# Altium PCB Analog_Daughter_6U_MAX11331.PcbDoc (part 4 of 6)
Units mil, origin at the board's own origin, x right, y up, seen from the top; angles counter-clockwise.
Board outline 6811.02 x 3937.01 mil, 6 copper layers (Top Layer, GND, Signal 1, Signal 2, VCC, Bottom Layer), stack 32.112 mil thick; 520 components, 330 nets, 1678 pads, 526 vias.
Unrouted connection lines stored in the file: 277.
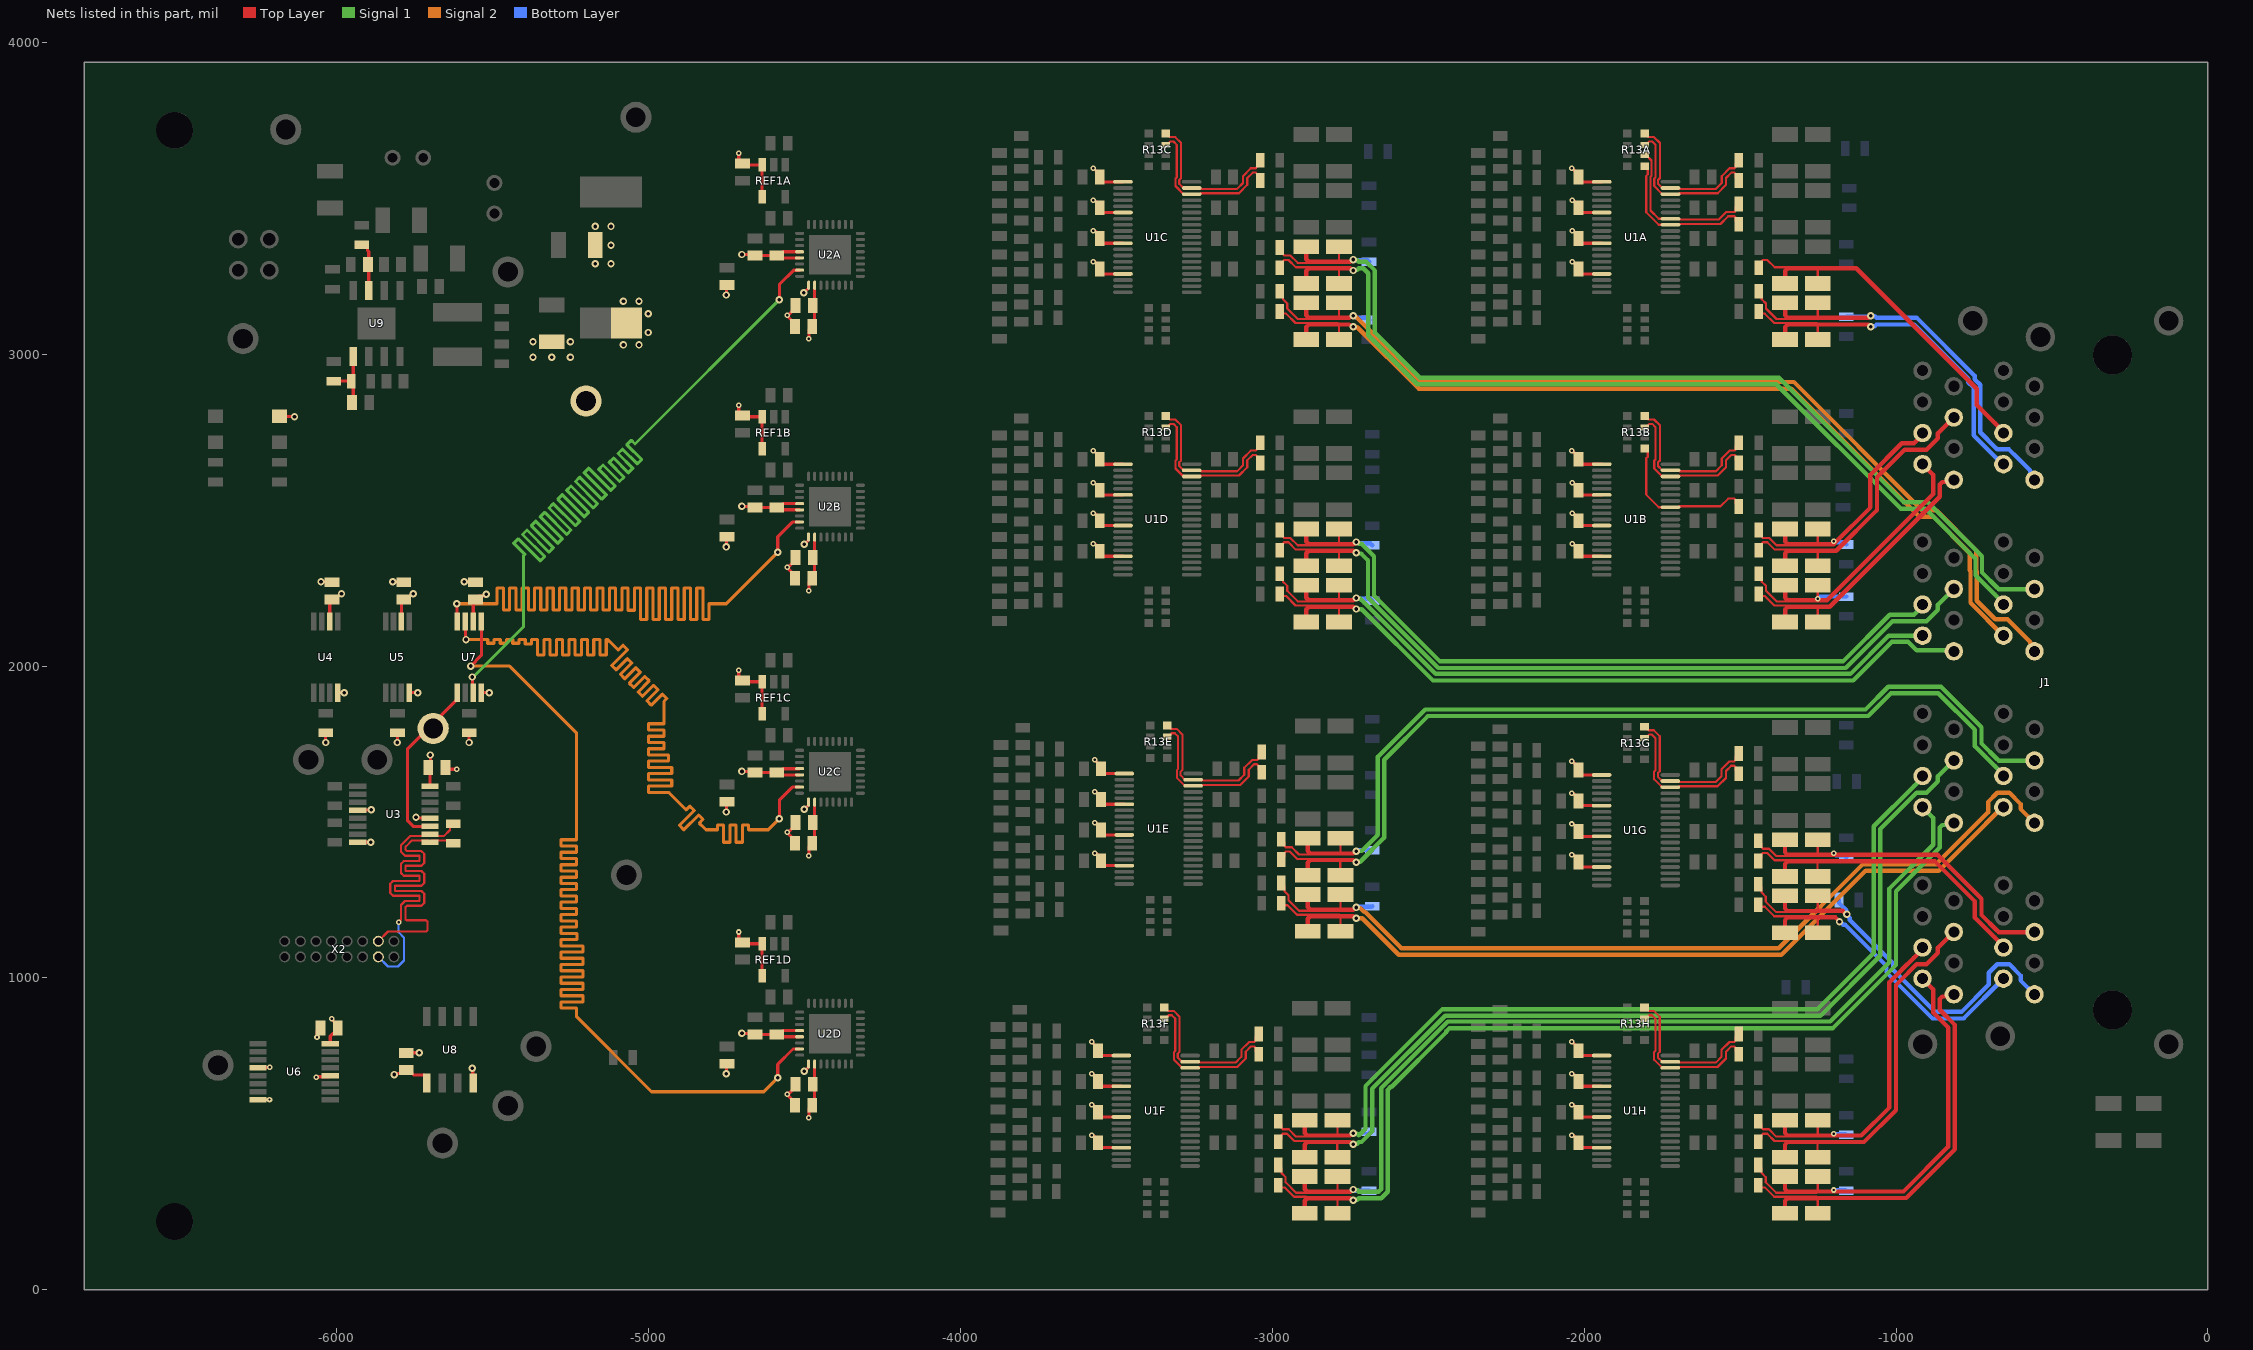
[diagram p8: the nets of this part, all layers, seen from the top]

## Via types
v1: diameter 17.72, hole 7.87, Top Layer to Bottom Layer, tented both sides, 279 vias
v2: diameter 23.62, hole 11.81, Top Layer to Bottom Layer, tented both sides, 205 vias
v3: diameter 27.56, hole 11.81, Top Layer to Bottom Layer, tented bottom, 32 vias
v4: diameter 19.68, hole 7.87, Top Layer to Bottom Layer, tented both sides, 6 vias
v5: diameter 51.18, hole 27.56, Top Layer to Bottom Layer, tented both sides, 4 vias

## Nets (pads, with @x,y where several pads share a name; then routed paths per layer and width w, separated by ;. In a path a pad name is that pad's centre, name@x,y a point inside that pad or via, vN(x,y) a via of type N, cw(c..) or ccw(c..) an arc to the next point about the centre after c; other vN are vias at no path point) (continued)
AIN3A_P: C8A.1 J1.D4 R9A.2 R10A.1 | length 1262.3
  Top Layer w7: R9A.2@-1440.95,3277.05 -1430.67,3287.33 -1430.67,3298.45 -1426.57,3302.55 -1412.95,3302.55 -1389.5,3279.1 -1347.75,3279.1 -1255.52,3279.1 -1252.02,3275.6 -1251.42,3275 -1251.42,3227.52 C8A.1@-1250.95,3227.05
  Top Layer w14: R10A.1@-1355.95,3227.05 -1355.95,3267.4 -1347.75,3275.6 -1252.02,3275.6 -1127.39,3275.6 -741.42,2889.63 -741.42,2837.34 -683.96,2779.87 -683.38,2779.87 -655.99,2752.49 J1.D4@-655.99,2747.4
AIN3B_N: C8B.2 J1.E5 R10B.2 R12B.2 R40B.1 | length 1000.8
  Top Layer w7: R12B.2@-1440.95,2436.54 -1430.67,2426.26 -1430.67,2415.14 -1426.57,2411.04 -1407.15,2411.04 -1383.71,2387.59 -1255.05,2387.59 -1251.55,2391.09 -1250.95,2391.69 C8B.2@-1250.95,2439.65
  Top Layer w14: R10B.2@-1355.95,2439.65 -1355.95,2399.29 -1347.75,2391.09 -1251.55,2391.09 -1200.33,2391.09 ; v1@-1195.71,2395.71 -1082.42,2509 -1082.42,2614 -981.49,2714.93 -942.38,2714.93 -914.99,2742.32 J1.E5@-914.99,2747.4
  Bottom Layer w14: v1(-1200,2400) -1198.99,2400 -1195.77,2396.78 -1166.78,2396.78 R40B.1@-1160,2390
AIN3B_P: C8B.1 J1.E4 R9B.2 R10B.1 | length 1098.6
  Top Layer w7: R9B.2@-1440.95,2371.54 -1430.67,2381.82 -1430.67,2392.93 -1426.57,2397.04 -1412.95,2397.04 -1389.5,2373.59 -1347.75,2373.59 -1255.52,2373.59 -1252.02,2370.09 -1251.42,2369.49 -1251.42,2322.01 C8B.1@-1250.95,2321.54
  Top Layer w14: R10B.1@-1355.95,2321.54 -1355.95,2361.89 -1347.75,2370.09 -1252.02,2370.09 -1191.63,2370.09 -1061.42,2500.3 -1061.42,2605.3 -972.8,2693.93 -902.66,2693.93 -865.98,2730.61 -865.98,2746.41 J1.E4@-814.99,2797.4
AIN3C_N: C8C.2 J1.C5 R10C.2 R12C.2 R40C.1 | length 3269.3
  Top Layer w7: R12C.2@-2976.38,3342.05 -2966.1,3331.77 -2966.1,3320.65 -2962,3316.55 -2942.58,3316.55 -2919.14,3293.1 -2790.48,3293.1 -2786.98,3296.6 -2786.38,3297.2 C8C.2@-2786.38,3345.16
  Top Layer w14: R10C.2@-2891.38,3345.16 -2891.38,3304.8 -2883.18,3296.6 -2792.48,3296.6 ; -2786.98,3296.6 -2750.92,3296.6
  Signal 1 w14: v2(-2741.25,3303.67) -2739.41,3301.83 -2728.15,3301.83 -2722.92,3296.6 -2699.74,3296.6 -2671.42,3268.29 -2671.42,3069.7 -2526.72,2925 -1375.42,2925 -976.42,2526 -898.09,2526 -724.49,2352.4 -724.49,2300.1 -675.26,2250.87 -674.68,2250.87 -670.68,2246.87 -556.52,2246.87 J1.C5@-555.99,2247.4
  Bottom Layer w14: v2(-2741.25,3303.67) -2739.41,3301.83 -2694.82,3301.83 R40C.1@-2690,3297.01
AIN3C_P: C8C.1 J1.C4 R9C.2 R10C.1 | length 3136
  Top Layer w7: R9C.2@-2976.38,3277.05 -2966.1,3287.33 -2966.1,3298.45 -2962,3302.55 -2948.38,3302.55 -2924.94,3279.1 -2883.18,3279.1 -2834.72,3279.1 -2790.96,3279.1 -2787.46,3275.6 -2786.86,3275 -2786.86,3227.52 C8C.1@-2786.38,3227.05
  Top Layer w14: R10C.1@-2891.38,3227.05 -2891.38,3267.4 -2883.18,3275.6 -2835.32,3275.6 -2834.72,3275 -2786.86,3275 ; -2787.46,3275.6 -2750.92,3275.6
  Signal 1 w14: v2(-2741.25,3268.53) -2739.41,3270.37 -2728.15,3270.37 -2722.92,3275.6 -2708.44,3275.6 -2692.42,3259.59 -2692.42,3061 -2535.42,2904 -1384.12,2904 -985.12,2505 -906.79,2505 -745.49,2343.7 -745.49,2291.4 -683.96,2229.87 -683.38,2229.87 -655.99,2202.49 J1.C4@-655.99,2197.4
AIN3D_N: C8D.2 J1.F5 R10D.2 R12D.2 R40D.1 | length 2656.3
  Top Layer w7: R12D.2@-2976.38,2436.54 -2966.1,2426.26 -2966.1,2415.14 -2962,2411.04 -2942.58,2411.04 -2919.14,2387.59 -2790.48,2387.59 -2786.98,2391.09 -2786.38,2391.69 C8D.2@-2786.38,2439.65
  Top Layer w14: R10D.2@-2891.38,2439.65 -2891.38,2399.29 -2883.18,2391.09 -2786.98,2391.09 -2740.92,2391.09 -2733.85,2398.16 v2(-2731.25,2398.16)
  Signal 1 w14: v2(-2731.25,2398.16) -2728.64,2398.16 -2722.31,2391.83 -2713.69,2391.83 -2674.42,2352.57 -2674.42,2226.74 -2462.68,2015 -1170.16,2015 -1020.23,2164.93 -942.38,2164.93 -914.99,2192.32 J1.F5@-914.99,2197.4
  Bottom Layer w14: v2(-2731.25,2398.16) -2728.64,2398.16 -2724.27,2393.79 -2686.78,2393.79 R40D.1@-2680,2387.01
AIN3D_P: C8D.1 J1.F4 R9D.2 R10D.1 | length 2726.6
  Top Layer w7: R9D.2@-2976.38,2371.54 -2966.1,2381.82 -2966.1,2392.93 -2962,2397.04 -2948.38,2397.04 -2924.94,2373.59 -2790.96,2373.59 -2787.46,2370.09 -2786.86,2369.49 -2786.86,2322.01 C8D.1@-2786.38,2321.54
  Top Layer w14: R10D.1@-2891.38,2321.54 -2891.38,2361.89 -2883.18,2370.09 -2787.46,2370.09 -2740.92,2370.09 -2733.85,2363.02 v2(-2731.25,2363.02)
  Signal 1 w14: v2(-2731.25,2363.02) -2729.41,2361.18 -2715.74,2361.18 -2693.42,2338.86 -2693.42,2218.87 -2468.55,1994 -1161.46,1994 -1011.53,2143.93 -902.66,2143.93 -865.98,2180.61 -865.98,2196.41 J1.F4@-814.99,2247.4
AIN3E_N: C8E.2 J1.B5 R10E.2 R12E.2 R40E.1 | length 3178.5
  Top Layer w7: R12E.2@-2971.95,1444.47 -2961.67,1434.19 -2961.67,1423.07 -2957.57,1418.97 -2938.15,1418.97 -2914.71,1395.52 -2786.05,1395.52 -2782.55,1399.02 -2781.95,1399.62 C8E.2@-2781.95,1447.58
  Top Layer w14: R10E.2@-2886.95,1447.58 -2886.95,1407.22 -2878.75,1399.02 -2782.55,1399.02 -2740.92,1399.02
  Signal 1 w14: v2(-2731.25,1406.09) -2730.16,1407.19 -2713.94,1407.19 -2662.42,1458.7 -2662.42,1708.7 -2510.27,1860.85 -1098.14,1860.85 -1025.06,1933.93 -856.02,1933.93 -726.26,1804.17 -726.26,1751.88 -675.26,1700.87 -674.68,1700.87 -670.68,1696.87 -556.52,1696.87 J1.B5@-555.99,1697.4
  Bottom Layer w14: v2(-2731.25,1406.09) -2728.64,1406.09 -2724.74,1410 R40E.1@-2680,1410
AIN3E_P: C8E.1 J1.B4 R9E.2 R10E.1 | length 3045.7
  Top Layer w7: R9E.2@-2971.95,1379.47 -2961.67,1389.75 -2961.67,1400.87 -2957.57,1404.97 -2943.95,1404.97 -2920.51,1381.52 -2786.53,1381.52 -2783.03,1378.02 -2782.43,1377.42 -2782.43,1329.94 C8E.1@-2781.95,1329.47
  Top Layer w14: R10E.1@-2886.95,1329.47 -2886.95,1369.82 -2878.75,1378.02 -2783.03,1378.02 -2740.92,1378.02
  Signal 1 w14: v2(-2731.25,1370.95) -2729.41,1372.79 -2718.63,1372.79 -2641.42,1450 -2641.42,1700 -2501.57,1839.85 -1089.44,1839.85 -1016.36,1912.93 -864.72,1912.93 -747.26,1795.48 -747.26,1743.18 -683.96,1679.87 -683.38,1679.87 -655.99,1652.49 J1.B4@-655.99,1647.4
AIN3F_N: C8F.2 J1.G5 R10F.2 R12F.2 R40F.1 | length 3040.5
  Top Layer w7: R12F.2@-2981.42,540 -2971.14,529.72 -2971.14,518.6 -2967.04,514.5 -2947.62,514.5 -2924.18,491.05 -2891.72,491.05 -2888.22,494.55 ; -2795.52,491.05 -2792.02,494.55 -2791.42,495.16 C8F.2@-2791.42,543.11
  Top Layer w14: R10F.2@-2896.42,543.11 -2896.42,502.76 -2888.22,494.55 -2797.52,494.55 ; -2792.02,494.55 -2750.92,494.55
  Signal 1 w14: v2(-2741.25,501.63) -2739.41,499.79 -2728.15,499.79 -2722.92,494.55 -2701.42,516.05 -2701.42,653.13 -2454.55,900 -1251.42,900 -1071.42,1080 -1071.42,1486.47 -942.96,1614.93 -942.38,1614.93 -914.99,1642.32 J1.G5@-914.99,1647.4
  Bottom Layer w7: v2(-2741.25,501.63) -2695.38,501.63 R40F.1@-2690,507.01
AIN3F_P: C8F.1 J1.G4 R9F.2 R10F.1 | length 3123.5
  Top Layer w7: R9F.2@-2981.42,475 -2971.14,485.28 -2971.14,496.4 -2967.04,500.5 -2953.42,500.5 -2929.98,477.05 -2891.72,477.05 -2888.22,473.55 ; -2792.5,473.55 -2791.9,472.95 -2791.9,425.47 C8F.1@-2791.42,425
  Top Layer w14: R10F.1@-2896.42,425 -2896.42,465.35 -2888.22,473.55 -2792.5,473.55 -2750.92,473.55
  Signal 1 w14: v2(-2741.25,466.48) -2739.41,468.32 -2728.15,468.32 -2722.92,473.55 -2714.22,473.55 -2680.42,507.35 -2680.42,644.43 -2445.85,879 -1242.72,879 -1050.42,1071.3 -1050.42,1477.77 -934.26,1593.93 -902.66,1593.93 -865.98,1630.61 -865.98,1646.41 J1.G4@-814.99,1697.4
AIN3G_N: C8G.2 J1.A5 R10G.2 R12G.2 R40G.1 | length 1289.5
  Top Layer w7: R12G.2@-1441.42,1440 -1431.14,1429.72 -1431.14,1418.6 -1427.04,1414.5 -1407.62,1414.5 -1384.18,1391.05 -1255.52,1391.05 -1252.02,1394.55 -1251.42,1395.16 C8G.2@-1251.42,1443.11
  Top Layer w14: R10G.2@-1356.42,1443.11 -1356.42,1402.76 -1348.22,1394.55 -1252.02,1394.55 -866.65,1394.55 -726.26,1254.17 -726.26,1201.88 -675.26,1150.87 -674.68,1150.87 -670.68,1146.87 -556.52,1146.87 J1.A5@-555.99,1147.4
  Bottom Layer w14: v1(-1200,1400) -1198.99,1400 -1192.78,1393.79 -1166.78,1393.79 R40G.1@-1160,1387.01
AIN3G_P: C8G.1 J1.A4 R9G.2 R10G.1 | length 1158.3
  Top Layer w7: R9G.2@-1441.42,1375 -1431.14,1385.28 -1431.14,1396.4 -1427.04,1400.5 -1413.42,1400.5 -1389.98,1377.05 -1256,1377.05 -1252.5,1373.55 -1251.9,1372.95 -1251.9,1325.47 C8G.1@-1251.42,1325
  Top Layer w14: R10G.1@-1356.42,1325 -1356.42,1365.35 -1348.22,1373.55 -1252.5,1373.55 -875.34,1373.55 -747.26,1245.48 -747.26,1193.18 -683.96,1129.87 -683.38,1129.87 -655.99,1102.49 J1.A4@-655.99,1097.4
AIN3H_N: C8H.2 J1.H5 R10H.2 R12H.2 R40H.1 | length 1281
  Top Layer w7: R12H.2@-1441.42,540 -1431.14,529.72 -1431.14,518.6 -1427.04,514.5 -1407.62,514.5 -1384.18,491.05 -1255.52,491.05 -1252.02,494.55 -1251.42,495.16 C8H.2@-1251.42,543.11
  Top Layer w14: R10H.2@-1356.42,543.11 -1356.42,502.76 -1348.22,494.55 -1252.02,494.55 -1111.42,494.55 -1021.42,584.55 -1021.42,985.92 -981.97,1025.37 -981.97,1025.92 -942.96,1064.93 -942.38,1064.93 -914.99,1092.32 J1.H5@-914.99,1097.4
  Bottom Layer w14: v1(-1200,500) -1199.29,499.29 -1162.28,499.29 R40H.1@-1160,497.01
AIN3H_P: C8H.1 J1.H4 R9H.2 R10H.1 | length 1375.2
  Top Layer w7: R9H.2@-1441.42,475 -1431.14,485.28 -1431.14,496.4 -1427.04,500.5 -1413.42,500.5 -1389.98,477.05 -1256,477.05 -1252.5,473.55 -1251.9,472.95 -1251.9,425.47 C8H.1@-1251.42,425
  Top Layer w14: R10H.1@-1356.42,425 -1356.42,465.35 -1348.22,473.55 -1252.5,473.55 -1102.72,473.55 -1000.42,575.86 -1000.42,977.22 -961.52,1016.13 -961.52,1016.67 -934.26,1043.93 -902.66,1043.93 -865.98,1080.61 -865.98,1096.41 J1.H4@-814.99,1147.4
AIN4A_N: C4A.2 J1.D1 R5A.2 R7A.2 R39A.1 | length 1545.5
  Top Layer w7: R7A.2@-1440.95,3202.05 -1430.67,3191.77 -1430.67,3176.19 -1417.31,3162.83 -1417.31,3146.7 -1383.71,3113.1 -1255.05,3113.1 -1251.55,3116.6 -1250.95,3117.2 C4A.2@-1250.95,3165.16
  Top Layer w14: R5A.2@-1355.95,3165.16 -1355.95,3124.8 -1347.75,3116.6 -1251.55,3116.6 -1087.73,3116.6 -1081.42,3122.91 -1081.42,3123.5 v2(-1081.25,3123.67)
  Bottom Layer w14: R39A.1@-1160,3120 -1087.52,3120 -1083.85,3123.67 v2(-1081.25,3123.67) -1079.41,3121.83 -1068.15,3121.83 -1062.92,3116.6 -933.33,3116.6 -747.46,2930.74 -747.46,2919.33 -730.42,2902.29 -730.42,2750 -679.3,2698.87 -675.42,2695 -637.79,2695 -609.23,2666.44 -569.82,2627.03 -569.82,2623.42 -555.99,2609.59 J1.D1@-555.99,2597.4
AIN4A_P: C4A.1 J1.D2 R4A.2 R5A.1 | length 1288.1
  Top Layer w7: R4A.2@-1440.95,3137.05 -1434.27,3130.37 -1420.77,3130.37 -1390.4,3100 -1255.05,3100 -1250.95,3095.9 -1250.95,3095.6 C4A.1@-1250.95,3047.05
  Top Layer w14: R5A.1@-1355.95,3047.05 -1355.95,3087.4 -1347.75,3095.6 -1250.95,3095.6 -1087.73,3095.6 -1081.25,3089.12 v2(-1081.25,3088.53)
  Bottom Layer w14: v2(-1081.25,3088.53) -1079.41,3090.37 -1068.15,3090.37 -1062.92,3095.6 -942.03,3095.6 -768.46,2922.04 -768.46,2910.64 -751.42,2893.6 -751.42,2740 -658.82,2647.4 J1.D2@-655.99,2647.4
AIN4B_N: C4B.2 J1.E7 R5B.2 R7B.2 R39B.1 | length 1148.2
  Top Layer w7: R7B.2@-1440.95,2296.54 -1430.67,2286.26 -1430.67,2270.68 -1417.31,2257.31 -1417.31,2241.19 -1383.71,2207.59 -1255.05,2207.59 ; v1@-1250.95,2216.55 C4B.2@-1250.95,2259.65
  Top Layer w14: R5B.2@-1355.95,2259.65 -1355.95,2219.29 -1347.75,2211.09 v1@-1251.55,2211.09 ; v1@-1251.44,2211.09 -1221.42,2211.09 -880.79,2551.73 -880.79,2613.2 J1.E7@-914.99,2647.4
  Bottom Layer w14: v1(-1251.44,2216.55) -1250.43,2216.55 -1243.99,2222.99 R39B.1@-1160,2222.99
AIN4B_P: C4B.1 J1.E8 R4B.2 R5B.1 | length 1032.4
  Top Layer w7: R4B.2@-1440.95,2231.54 -1434.27,2224.86 -1420.77,2224.86 -1390.4,2194.49 -1255.05,2194.49 -1250.95,2190.39 -1250.95,2190.09 C4B.1@-1250.95,2141.54
  Top Layer w14: R5B.1@-1355.95,2141.54 -1355.95,2181.89 -1347.75,2190.09 -1250.95,2190.09 -1212.72,2190.09 -859.79,2543.03 -859.79,2582.34 -851.59,2590.54 -821.85,2590.54 J1.E8@-814.99,2597.4
AIN4C_N: C4C.2 J1.C1 R5C.2 R7C.2 R39C.1 | length 3246.3
  Top Layer w7: R7C.2@-2976.38,3202.05 -2966.1,3191.77 -2966.1,3176.19 -2952.74,3162.83 -2952.74,3146.7 -2919.14,3113.1 -2790.48,3113.1 -2786.98,3116.6 ; -2786.38,3117.2 C4C.2@-2786.38,3165.16
  Top Layer w14: R5C.2@-2891.38,3165.16 -2891.38,3124.8 -2883.18,3116.6 -2791.59,3116.6 ; -2786.98,3116.6 -2754.26,3116.6
  Signal 2 w14: -2728.77,3117.34 -2522.42,2911 -1327.72,2911 -916.5,2499.77 -871.5,2499.77 -742.42,2370.7 -742.42,2305 -741.42,2304 -741.42,2209.7 -681.72,2150 -642.79,2150 -569.82,2077.03 -569.82,2073.42 -555.99,2059.59 J1.C1@-555.99,2047.4
  Bottom Layer w14: v2(-2741.25,3123.67) -2738.64,3123.67 -2731.75,3116.78 -2696.78,3116.78 R39C.1@-2690,3110
AIN4C_P: C4C.1 J1.C2 R4C.2 R5C.1 | length 3018.5
  Top Layer w7: R4C.2@-2976.38,3137.05 -2969.71,3130.37 -2956.21,3130.37 -2925.84,3100 -2790.48,3100 -2786.38,3095.9 -2786.38,3095.6 C4C.1@-2786.38,3047.05
  Top Layer w14: R5C.1@-2891.38,3047.05 -2891.38,3087.4 -2883.18,3095.6 -2792.48,3095.6 ; -2786.38,3095.6 -2754.26,3095.6
  Signal 2 w14: v2(-2741.25,3088.53) -2739.41,3086.69 -2727.81,3086.69 -2531.12,2890 -1336.42,2890 -925.2,2478.77 -880.2,2478.77 -763.42,2362 -763.42,2307 -761.42,2305 -761.42,2202.83 J1.C2@-655.99,2097.4
AIN4D_N: C4D.2 J1.F7 R5D.2 R7D.2 R39D.1 | length 2524.2
  Top Layer w7: R7D.2@-2976.38,2296.54 -2966.1,2286.26 -2966.1,2270.68 -2952.74,2257.31 -2952.74,2241.19 -2919.14,2207.59 -2790.48,2207.59 -2786.98,2211.09 -2786.38,2211.69 C4D.2@-2786.38,2259.65
  Top Layer w14: R5D.2@-2891.38,2259.65 -2891.38,2219.29 -2883.18,2211.09 -2786.98,2211.09 -2740.92,2211.09 -2733.85,2218.16 v2(-2731.25,2218.16)
  Signal 1 w14: v2(-2731.25,2218.16) -2729.41,2216.32 -2718.15,2216.32 -2705.2,2203.37 -2704.79,2203.37 -2476.42,1975 -1146.42,1975 -1024.02,2097.4 J1.F7@-914.99,2097.4
  Bottom Layer w14: v2(-2731.25,2218.16) -2729.41,2216.32 -2686.32,2216.32 R39D.1@-2680,2210
AIN4D_P: C4D.1 J1.F8 R4D.2 R5D.1 | length 2538.2
  Top Layer w7: R4D.2@-2976.38,2231.54 -2969.71,2224.86 -2956.21,2224.86 -2925.84,2194.49 -2790.48,2194.49 -2786.38,2190.39 -2786.38,2190.09 C4D.1@-2786.38,2141.54
  Top Layer w14: R5D.1@-2891.38,2141.54 -2891.38,2181.89 -2883.18,2190.09 -2786.38,2190.09 -2740.92,2190.09 -2733.85,2183.02 v2(-2731.25,2183.02)
  Signal 1 w14: v2(-2731.25,2183.02) -2730.6,2182.37 -2713.49,2182.37 -2485.12,1954 -1137.72,1954 -1013.32,2078.4 -961.79,2078.4 -934.26,2050.87 -818.46,2050.87 J1.F8@-814.99,2047.4
AIN4E_N: C4E.2 J1.B1 R5E.2 R7E.2 R39E.1 | length 3042.5
  Top Layer w7: R7E.2@-2971.95,1304.47 -2961.67,1294.19 -2961.67,1278.61 -2948.31,1265.25 -2948.31,1249.13 -2914.71,1215.52 -2786.05,1215.52 -2782.55,1219.02 -2781.95,1219.62 C4E.2@-2781.95,1267.58
  Top Layer w14: R5E.2@-2886.95,1267.58 -2886.95,1227.22 -2878.75,1219.02 -2782.55,1219.02 -2740.92,1219.02
  Signal 2 w14: v2(-2731.25,1226.09) -2729.41,1224.25 -2718.15,1224.25 -2706.08,1212.19 -2703.61,1212.19 -2586.42,1095 -1376.42,1095 -1106.49,1364.93 -871.34,1364.93 -781.42,1454.85 -704.88,1531.39 -704.88,1564.31 -675.26,1593.93 -636.72,1593.93 -600.66,1557.88 -600.66,1542.08 J1.B1@-555.99,1497.4
  Bottom Layer w14: v2(-2731.25,1226.09) -2729.41,1227.94 -2682.06,1227.94 R39E.1@-2680,1230
AIN4E_P: C4E.1 J1.B2 R4E.2 R5E.1 | length 2765.8
  Top Layer w7: R4E.2@-2971.95,1239.47 -2965.28,1232.79 -2951.78,1232.79 -2921.41,1202.42 -2786.05,1202.42 -2781.95,1198.32 -2781.95,1198.02 C4E.1@-2781.95,1149.47
  Top Layer w14: R5E.1@-2886.95,1149.47 -2886.95,1189.82 -2878.75,1198.02 -2782.25,1198.02 -2781.95,1198.32 ; -2781.95,1198.02 -2740.92,1198.02
  Signal 2 w14: v2(-2731.25,1190.95) -2731.01,1191.19 -2712.31,1191.19 -2595.12,1074 -1367.72,1074 -1097.8,1343.93 -862.64,1343.93 -766.57,1440 -659.17,1547.4 J1.B2@-655.99,1547.4
AIN4F_N: C4F.2 J1.G7 R5F.2 R7F.2 R39F.1 | length 3228.2
  Top Layer w7: R7F.2@-2981.42,400 -2971.14,389.72 -2971.14,374.14 -2957.78,360.78 -2957.78,344.66 -2924.18,311.05 -2891.72,311.05 -2888.22,314.55 ; -2792.02,314.55 -2791.42,315.16 C4F.2@-2791.42,363.11
  Top Layer w14: R5F.2@-2896.42,363.11 -2896.42,322.76 -2888.22,314.55 -2792.02,314.55 -2750.92,314.55
  Signal 1 w14: v2(-2741.25,321.63) -2739.41,319.79 -2728.15,319.79 -2722.92,314.55 -2659.62,314.55 -2651.42,322.76 -2651.42,646.56 -2437.98,860 -1211.42,860 -1021.42,1050 -1021.42,1286.47 -880.79,1427.1 -880.79,1513.2 J1.G7@-914.99,1547.4
  Bottom Layer w14: v2(-2741.25,321.63) -2738.64,321.63 -2734.03,317.01 R39F.1@-2690,317.01
AIN4F_P: C4F.1 J1.G8 R4F.2 R5F.1 | length 3145
  Top Layer w7: R4F.2@-2981.42,335 -2974.75,328.32 -2961.24,328.32 -2930.87,297.95 -2892.62,297.95 -2888.22,293.55 ; C4F.1@-2791.42,245 -2791.42,293.55
  Top Layer w14: R5F.1@-2896.42,245 -2896.42,285.35 -2888.22,293.55 -2791.42,293.55 -2750.92,293.55
  Signal 1 w14: v2(-2741.25,286.48) -2739.41,288.32 -2728.15,288.32 -2722.92,293.55 -2650.93,293.55 -2630.42,314.06 -2630.42,640.69 -2620.45,650.66 -2617.62,650.66 -2442.09,826.2 -2442.09,829.03 -2432.11,839 -1202.72,839 -1000.42,1041.3 -1000.42,1277.77 -859.79,1418.4 -859.79,1482.34 -851.59,1490.54 -821.85,1490.54 J1.G8@-814.99,1497.4
AIN4G_N: C4G.2 J1.A1 R5G.2 R7G.2 R39G.1 | length 1478.7
  Top Layer w7: R7G.2@-1441.42,1300 -1431.14,1289.72 -1431.14,1274.14 -1417.78,1260.78 -1417.78,1244.66 -1384.18,1211.05 -1255.52,1211.05 -1251.57,1215 -1251.42,1215.16 C4G.2@-1251.42,1263.11
  Top Layer w14: R5G.2@-1356.42,1263.11 -1356.42,1222.76 -1348.22,1214.55 -1256.63,1214.55 -1255.52,1213.45 ; -1251.57,1215 -1171.48,1215 -1160.25,1203.77 v2(-1157.65,1203.77)
  Bottom Layer w14: R39G.1@-1182.99,1250 -1182.99,1240.16 -1159.49,1216.66 -1159.49,1205.62 v2(-1157.65,1203.77) -1157.65,1201.17 -1148.61,1192.13 -1148.61,1185.81 -1009.7,1046.9 -1009.7,1026.31 -874.39,891 -790.42,891 -702.52,978.91 -702.52,1016.67 -675.26,1043.93 -636.72,1043.93 -600.66,1007.88 -600.66,992.08 J1.A1@-555.99,947.4
AIN4G_P: C4G.1 J1.A2 R4G.2 R5G.1 | length 1199.9
  Top Layer w7: R4G.2@-1441.42,1235 -1434.75,1228.32 -1421.24,1228.32 -1390.87,1197.95 -1255.52,1197.95 -1251.57,1194 -1251.42,1193.85 -1251.42,1193.55 C4G.1@-1251.42,1145
  Top Layer w14: R5G.1@-1356.42,1145 -1356.42,1185.35 -1348.22,1193.55 -1251.42,1193.55 ; -1251.57,1194 -1194.44,1194 -1181.42,1180.99 v2(-1181.42,1180)
  Bottom Layer w14: v2(-1181.42,1180) -1178.82,1180 -1169.78,1170.96 -1163.46,1170.96 -1030.7,1038.2 -1030.7,1017.61 -883.09,870 -783.39,870 J1.A2@-655.99,997.4
AIN4H_N: C4H.2 J1.H7 R5H.2 R7H.2 R39H.1 | length 1532.3
  Top Layer w7: R7H.2@-1441.42,400 -1431.14,389.72 -1431.14,374.14 -1417.78,360.78 -1417.78,344.66 -1384.18,311.05 -1255.52,311.05 -1251.57,315 -1251.42,315.16 C4H.2@-1251.42,363.11
  Top Layer w14: R5H.2@-1356.42,363.11 -1356.42,322.76 -1348.22,314.55 -1255.52,314.55 ; -1251.57,315 -976.42,315 -832.42,459 -832.42,840.63 -880.79,889 -880.79,963.2 J1.H7@-914.99,997.4
  Bottom Layer w14: v1(-1200,319.86) -1199.29,319.15 -1162.14,319.15 R39H.1@-1160,317.01
AIN4H_P: C4H.1 J1.H8 R4H.2 R5H.1 | length 1462.1
  Top Layer w7: R4H.2@-1441.42,335 -1434.75,328.32 -1421.24,328.32 -1390.87,297.95 -1255.52,297.95 -1251.57,294 ; C4H.1@-1251.42,245 -1251.42,293.55
  Top Layer w14: R5H.1@-1356.42,245 -1356.42,285.35 -1348.22,293.55 -1251.42,293.55 ; -1251.57,294 -967.72,294 -811.42,450.3 -811.42,849.33 -859.79,897.69 -859.79,932.34 -851.59,940.54 -821.85,940.54 J1.H8@-814.99,947.4
AVCC: BS3.2 C14A.1 C14B.1 C14C.1 C14D.1 C14E.1 C14F.1 C14G.1 C14H.1 C15A.1 C15B.1 C15C.1 C15D.1 C15E.1 C15F.1 C15G.1 C15H.1 C16A.1 C16B.1 C16C.1 C16D.1 C16E.1 C16F.1 C16G.1 C16H.1 C17A.1 C17B.1 C17C.1 C17D.1 C17E.1 C17F.1 C17G.1 C17H.1 C26A.1 C26B.1 C26C.1 C26D.1 C27A.1 C27B.1 C27C.1 C27D.1 C28A.1 C28B.1 C28C.1 C28D.1 REF1A.3 REF1A.4 REF1B.3 REF1B.4 REF1C.3 REF1C.4 REF1D.3 REF1D.4 U1A.20 U1A.25 U1A.30 U1A.35 U1B.20 U1B.25 U1B.30 U1B.35 U1C.20 U1C.25 U1C.30 U1C.35 U1D.20 U1D.25 U1D.30 U1D.35 U1E.20 U1E.25 U1E.30 U1E.35 U1F.20 U1F.25 U1F.30 U1F.35 U1G.20 U1G.25 U1G.30 U1G.35 U1H.20 U1H.25 U1H.30 U1H.35 U2A.20 U2A.21 U2B.20 U2B.21 U2C.20 U2C.21 U2D.20 U2D.21 | length 5715.3